# KiCad board hvd-68-vhdci-panel.kicad_pcb (continued)
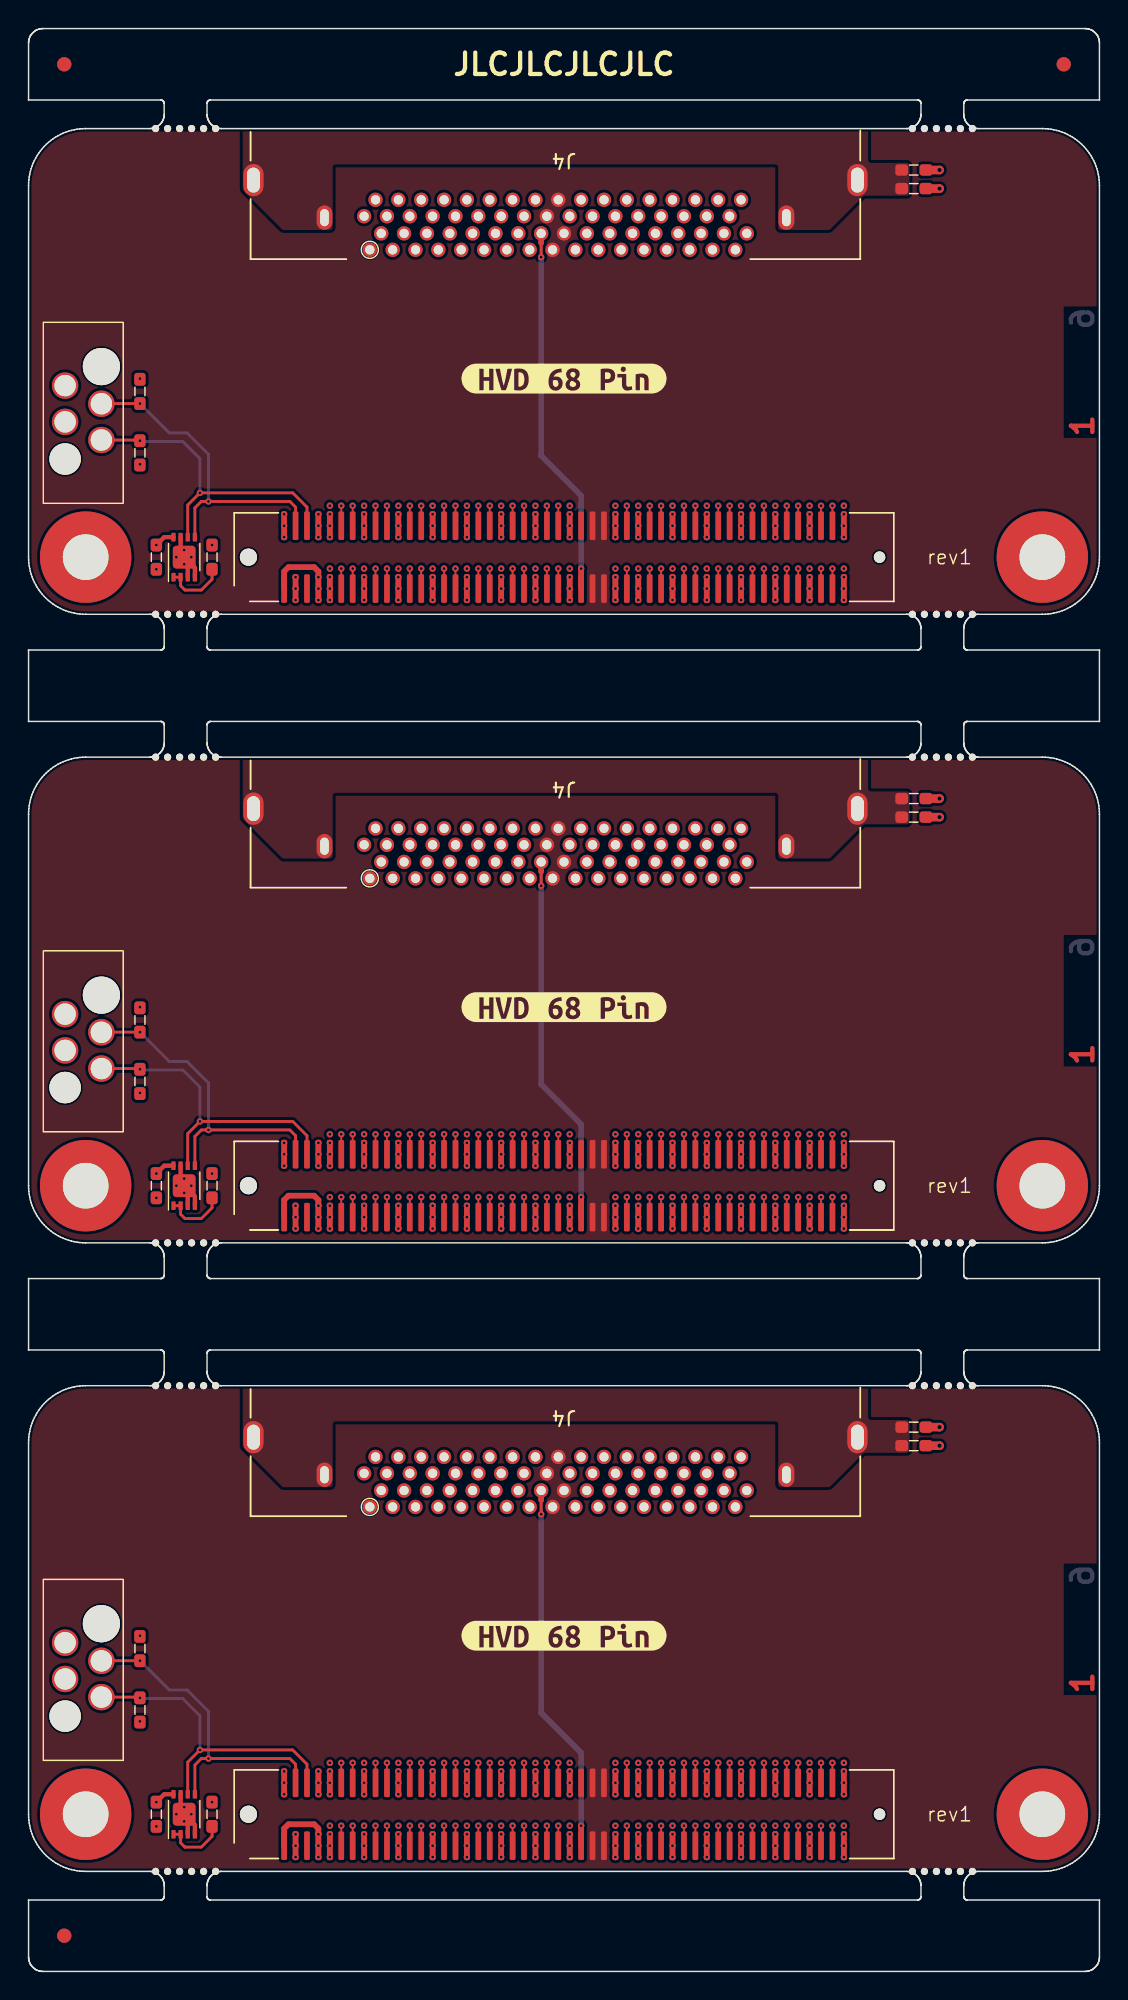
[diagram p0: board, top side]
## Routing (per net, layer and track width the routed paths; a pad name or vN(x,y) marks a point on that pad's centre or on a via; arc(x,y) is an arc through that point) (continued)
Board_1-/CON.DB1-: length 27
  Top w0.128: J1#2.30 v1(29.1,58.6)
  In2.Cu w0.128: v1(29.1,58.6) 29.3,58.8 29.3,62 arc(29.24,62.14) 29.1,62.2 arc(28.96,62.26) 28.9,62.4 28.9,62.6 arc(28.96,62.74) 29.1,62.8 arc(29.24,62.86) 29.3,63 29.3,63.2 arc(29.24,63.34) 29.1,63.4 arc(28.96,63.46) 28.9,63.6 28.9,63.8 arc(28.96,63.94) 29.1,64 arc(29.24,64.06) 29.3,64.2 29.3,64.4 arc(29.24,64.54) 29.1,64.6 arc(28.96,64.66) 28.9,64.8 28.9,65 arc(28.96,65.14) 29.1,65.2 arc(29.24,65.26) 29.3,65.4 29.3,65.6 arc(29.24,65.74) 29.1,65.8 arc(28.96,65.86) 28.9,66 28.9,66.2 arc(28.96,66.34) 29.1,66.4 arc(29.24,66.46) 29.3,66.6 29.3,66.8 arc(29.24,66.94) 29.1,67 arc(28.96,67.06) 28.9,67.2 28.9,67.4 arc(28.96,67.54) 29.1,67.6 arc(29.24,67.66) 29.3,67.8 29.3,68 arc(29.24,68.14) 29.1,68.2 arc(28.96,68.26) 28.9,68.4 28.9,68.6 arc(28.96,68.74) 29.1,68.8 arc(29.24,68.86) 29.3,69 29.3,69.2 arc(29.23,69.37) 29.07,69.44 arc(28.9,69.5) 28.83,69.67 28.83,69.8 arc(28.9,69.97) 29.07,70.04 arc(29.23,70.1) 29.3,70.27 29.3,70.4 arc(29.23,70.57) 29.07,70.64 arc(28.9,70.7) 28.83,70.87 28.83,71 arc(28.9,71.17) 29.07,71.24 arc(29.23,71.3) 29.3,71.47 29.3,76.9 28.9,77.3 28.9,78 29.1,78.2 J4#3.42
Board_1-/CON.DB2+: length 29.6
  Top w0.128: J1#2.31 v1(29.9,54.2)
  In3.Cu w0.128: J4#3.9 29.7,75.92 29.7,73.88 arc(29.77,73.71) 29.94,73.64 29.94,73.64 arc(30.11,73.57) 30.18,73.4 30.18,73.28 arc(30.11,73.11) 29.94,73.04 29.94,73.04 arc(29.77,72.97) 29.7,72.8 29.7,72.68 arc(29.77,72.51) 29.94,72.44 29.94,72.44 arc(30.11,72.37) 30.18,72.2 30.18,72.08 arc(30.11,71.91) 29.94,71.84 29.94,71.84 arc(29.77,71.77) 29.7,71.6 29.7,71.48 arc(29.77,71.31) 29.94,71.24 29.94,71.24 arc(30.11,71.17) 30.18,71 30.18,70.88 arc(30.11,70.71) 29.94,70.64 29.94,70.64 arc(29.77,70.57) 29.7,70.4 29.7,70.28 arc(29.77,70.11) 29.94,70.04 29.94,70.04 arc(30.11,69.97) 30.18,69.8 30.18,69.68 arc(30.11,69.51) 29.94,69.44 29.94,69.44 arc(29.77,69.37) 29.7,69.2 29.7,69.08 arc(29.77,68.91) 29.94,68.84 29.94,68.84 arc(30.11,68.77) 30.18,68.6 30.18,68.48 arc(30.11,68.31) 29.94,68.24 29.94,68.24 arc(29.77,68.17) 29.7,68 29.7,67.88 arc(29.77,67.71) 29.94,67.64 29.94,67.64 arc(30.11,67.57) 30.18,67.4 30.18,67.28 arc(30.11,67.11) 29.94,67.04 29.94,67.04 arc(29.77,66.97) 29.7,66.8 29.7,66.68 arc(29.77,66.51) 29.94,66.44 29.94,66.44 arc(30.11,66.37) 30.18,66.2 30.18,66.08 arc(30.11,65.91) 29.94,65.84 29.94,65.84 arc(29.77,65.77) 29.7,65.6 29.7,65.42 arc(29.76,65.27) 29.91,65.21 arc(30.06,65.15) 30.12,65 30.12,64.82 arc(30.06,64.67) 29.91,64.61 arc(29.76,64.55) 29.7,64.4 29.7,64.22 arc(29.76,64.07) 29.91,64.01 arc(30.06,63.95) 30.12,63.8 30.12,63.62 arc(30.06,63.47) 29.91,63.41 arc(29.76,63.35) 29.7,63.2 29.7,63.02 arc(29.76,62.87) 29.91,62.81 arc(30.06,62.75) 30.12,62.6 30.12,62.42 arc(30.06,62.27) 29.91,62.21 arc(29.76,62.15) 29.7,62 29.7,59.25 30.2,58.75 30.2,54.5 v1(29.9,54.2)
Board_1-/CON.DB2-: length 27
  Top w0.128: J1#2.32 v1(29.9,58.6)
  In2.Cu w0.128: v1(29.9,58.6) 29.7,58.8 29.7,62 arc(29.76,62.15) 29.91,62.21 arc(30.05,62.27) 30.12,62.42 30.12,62.6 arc(30.05,62.75) 29.91,62.81 arc(29.76,62.87) 29.7,63.02 29.7,63.2 arc(29.76,63.35) 29.91,63.41 arc(30.05,63.47) 30.12,63.62 30.12,63.8 arc(30.05,63.95) 29.91,64.01 arc(29.76,64.07) 29.7,64.22 29.7,64.4 arc(29.76,64.55) 29.91,64.61 arc(30.05,64.67) 30.12,64.82 30.12,65 arc(30.05,65.15) 29.91,65.21 arc(29.76,65.27) 29.7,65.42 29.7,65.6 arc(29.76,65.75) 29.91,65.81 arc(30.05,65.87) 30.12,66.02 30.12,66.2 arc(30.05,66.35) 29.91,66.41 arc(29.76,66.47) 29.7,66.62 29.7,66.8 arc(29.76,66.95) 29.91,67.01 arc(30.05,67.07) 30.12,67.22 30.12,67.4 arc(30.05,67.55) 29.91,67.61 arc(29.76,67.67) 29.7,67.82 29.7,68 arc(29.76,68.15) 29.91,68.21 arc(30.05,68.27) 30.12,68.42 30.12,68.6 arc(30.05,68.75) 29.91,68.81 arc(29.76,68.87) 29.7,69.02 29.7,69.2 arc(29.76,69.35) 29.91,69.41 arc(30.05,69.47) 30.12,69.62 30.12,69.8 arc(30.05,69.95) 29.91,70.01 arc(29.76,70.07) 29.7,70.22 29.7,70.4 arc(29.77,70.57) 29.94,70.64 arc(30.11,70.71) 30.18,70.88 30.18,71 arc(30.11,71.17) 29.94,71.24 arc(29.77,71.31) 29.7,71.48 29.7,71.6 arc(29.77,71.77) 29.94,71.84 arc(30.11,71.91) 30.18,72.08 30.18,72.2 arc(30.11,72.37) 29.94,72.44 arc(29.77,72.51) 29.7,72.68 29.7,72.8 arc(29.77,72.97) 29.94,73.04 arc(30.11,73.11) 30.18,73.28 30.18,73.4 arc(30.11,73.57) 29.94,73.64 arc(29.77,73.71) 29.7,73.88 29.7,76.9 30.1,77.3 30.1,78 29.9,78.2 J4#3.43
Board_1-/CON.DB3+: length 29.6
  Top w0.128: J1#2.35 v1(31.5,54.2)
  In3.Cu w0.128: J4#3.10 31.1,76.3 30.9,76.1 30.9,72.61 arc(30.84,72.46) 30.7,72.41 arc(30.55,72.35) 30.49,72.2 30.49,72.01 arc(30.55,71.86) 30.7,71.81 arc(30.84,71.75) 30.9,71.6 30.9,71.41 arc(30.84,71.26) 30.7,71.21 arc(30.55,71.15) 30.49,71 30.49,70.81 arc(30.55,70.66) 30.7,70.61 arc(30.84,70.55) 30.9,70.4 30.9,70.21 arc(30.84,70.06) 30.7,70.01 arc(30.55,69.95) 30.49,69.8 30.49,69.61 arc(30.55,69.46) 30.7,69.41 arc(30.84,69.35) 30.9,69.2 30.9,69.01 arc(30.84,68.86) 30.7,68.81 arc(30.55,68.75) 30.49,68.6 30.49,68.41 arc(30.55,68.26) 30.7,68.21 arc(30.84,68.15) 30.9,68 30.9,67.81 arc(30.84,67.66) 30.7,67.61 arc(30.55,67.55) 30.49,67.4 30.49,67.21 arc(30.55,67.06) 30.7,67.01 arc(30.84,66.95) 30.9,66.8 30.9,66.61 arc(30.84,66.46) 30.7,66.41 arc(30.55,66.35) 30.49,66.2 30.49,66.01 arc(30.55,65.86) 30.7,65.81 arc(30.84,65.75) 30.9,65.6 30.9,65.47 arc(30.83,65.31) 30.66,65.24 arc(30.5,65.17) 30.43,65 30.43,64.87 arc(30.5,64.71) 30.66,64.64 arc(30.83,64.57) 30.9,64.4 30.9,64.27 arc(30.83,64.11) 30.66,64.04 arc(30.5,63.97) 30.43,63.8 30.43,63.67 arc(30.5,63.51) 30.66,63.44 arc(30.83,63.37) 30.9,63.2 30.9,63.07 arc(30.83,62.91) 30.66,62.84 arc(30.5,62.77) 30.43,62.6 30.43,62.47 arc(30.5,62.31) 30.66,62.24 arc(30.83,62.17) 30.9,62 30.9,59.2 31.2,58.9 31.2,54.5 v1(31.5,54.2)
Board_1-/CON.DB3-: length 27
  Top w0.128: J1#2.36 v1(31.5,58.6)
  In2.Cu w0.128: J4#3.44 30.7,78.2 30.5,78 30.5,77.3 30.9,76.9 30.9,70.26 arc(30.83,70.1) 30.67,70.03 arc(30.51,69.96) 30.44,69.8 30.44,69.66 arc(30.51,69.5) 30.67,69.43 arc(30.83,69.36) 30.9,69.2 30.9,69.06 arc(30.83,68.9) 30.67,68.83 arc(30.51,68.76) 30.44,68.6 30.44,68.46 arc(30.51,68.3) 30.67,68.23 arc(30.83,68.16) 30.9,68 30.9,67.86 arc(30.83,67.7) 30.67,67.63 arc(30.51,67.56) 30.44,67.4 30.44,67.26 arc(30.51,67.1) 30.67,67.03 arc(30.83,66.96) 30.9,66.8 30.9,66.66 arc(30.83,66.5) 30.67,66.43 arc(30.51,66.36) 30.44,66.2 30.44,66.06 arc(30.51,65.9) 30.67,65.83 arc(30.83,65.76) 30.9,65.6 30.9,65.46 arc(30.83,65.3) 30.67,65.23 arc(30.51,65.16) 30.44,65 30.44,64.86 arc(30.51,64.7) 30.67,64.63 arc(30.83,64.56) 30.9,64.4 30.9,64.26 arc(30.83,64.1) 30.67,64.03 arc(30.51,63.96) 30.44,63.8 30.44,63.66 arc(30.51,63.5) 30.67,63.43 arc(30.83,63.36) 30.9,63.2 30.9,63.06 arc(30.83,62.9) 30.67,62.83 arc(30.51,62.76) 30.44,62.6 30.44,62.46 arc(30.51,62.3) 30.67,62.23 arc(30.83,62.16) 30.9,62 30.9,59.2 v1(31.5,58.6)
Board_1-/CON.DB4+: length 29.6
  Top w0.128: J1#2.37 v1(32.3,54.2)
  In3.Cu w0.128: v1(32.3,54.2) 31.9,54.6 31.9,59 31.3,59.6 31.3,62 arc(31.37,62.17) 31.54,62.24 31.56,62.24 arc(31.73,62.31) 31.8,62.48 31.8,62.6 arc(31.73,62.77) 31.56,62.84 31.54,62.84 arc(31.37,62.91) 31.3,63.08 31.3,63.2 arc(31.37,63.37) 31.54,63.44 31.56,63.44 arc(31.73,63.51) 31.8,63.68 31.8,63.8 arc(31.73,63.97) 31.56,64.04 31.54,64.04 arc(31.37,64.11) 31.3,64.28 31.3,64.4 arc(31.37,64.57) 31.54,64.64 31.56,64.64 arc(31.73,64.71) 31.8,64.88 31.8,65 arc(31.73,65.17) 31.56,65.24 31.54,65.24 arc(31.37,65.31) 31.3,65.48 31.3,65.6 arc(31.37,65.77) 31.54,65.84 31.56,65.84 arc(31.73,65.91) 31.8,66.08 31.8,66.2 arc(31.73,66.37) 31.56,66.44 31.54,66.44 arc(31.37,66.51) 31.3,66.68 31.3,66.8 arc(31.37,66.97) 31.54,67.04 31.56,67.04 arc(31.73,67.11) 31.8,67.28 31.8,67.4 arc(31.73,67.57) 31.56,67.64 31.54,67.64 arc(31.37,67.71) 31.3,67.88 31.3,68 arc(31.37,68.17) 31.54,68.24 31.56,68.24 arc(31.73,68.31) 31.8,68.48 31.8,68.6 arc(31.73,68.77) 31.56,68.84 31.54,68.84 arc(31.37,68.91) 31.3,69.08 31.3,69.2 arc(31.37,69.37) 31.54,69.44 31.56,69.44 arc(31.73,69.51) 31.8,69.68 31.8,69.8 arc(31.73,69.97) 31.56,70.04 31.54,70.04 arc(31.37,70.11) 31.3,70.28 31.3,70.4 arc(31.37,70.57) 31.54,70.64 31.56,70.64 arc(31.73,70.71) 31.8,70.88 31.8,71 arc(31.73,71.17) 31.56,71.24 31.54,71.24 arc(31.37,71.31) 31.3,71.48 31.3,71.6 arc(31.37,71.77) 31.54,71.84 31.56,71.84 arc(31.73,71.91) 31.8,72.08 31.8,72.2 arc(31.73,72.37) 31.56,72.44 31.54,72.44 arc(31.37,72.51) 31.3,72.68 31.3,75.92 J4#3.11
Board_1-/CON.DB4-: length 27
  Top w0.128: J1#2.38 v1(32.3,58.6)
  In2.Cu w0.128: v1(32.3,58.6) 31.3,59.6 31.3,62 arc(31.36,62.15) 31.51,62.21 arc(31.66,62.27) 31.72,62.42 31.72,62.6 arc(31.66,62.75) 31.51,62.81 arc(31.36,62.87) 31.3,63.02 31.3,63.2 arc(31.36,63.35) 31.51,63.41 arc(31.66,63.47) 31.72,63.62 31.72,63.8 arc(31.66,63.95) 31.51,64.01 arc(31.36,64.07) 31.3,64.22 31.3,64.4 arc(31.36,64.55) 31.51,64.61 arc(31.66,64.67) 31.72,64.82 31.72,65 arc(31.66,65.15) 31.51,65.21 arc(31.36,65.27) 31.3,65.42 31.3,65.6 arc(31.36,65.75) 31.51,65.81 arc(31.66,65.87) 31.72,66.02 31.72,66.2 arc(31.66,66.35) 31.51,66.41 arc(31.36,66.47) 31.3,66.62 31.3,66.8 arc(31.36,66.95) 31.51,67.01 arc(31.66,67.07) 31.72,67.22 31.72,67.4 arc(31.66,67.55) 31.51,67.61 arc(31.36,67.67) 31.3,67.82 31.3,68 arc(31.36,68.15) 31.51,68.21 arc(31.66,68.27) 31.72,68.42 31.72,68.6 arc(31.66,68.75) 31.51,68.81 arc(31.36,68.87) 31.3,69.02 31.3,69.2 arc(31.35,69.33) 31.48,69.39 arc(31.61,69.44) 31.67,69.57 31.67,69.8 arc(31.61,69.93) 31.48,69.99 arc(31.35,70.04) 31.3,70.17 31.3,70.4 arc(31.36,70.55) 31.51,70.61 arc(31.66,70.67) 31.72,70.82 31.72,71 arc(31.66,71.15) 31.51,71.21 arc(31.36,71.27) 31.3,71.42 31.3,71.6 arc(31.36,71.75) 31.51,71.81 arc(31.66,71.87) 31.72,72.02 31.72,72.2 arc(31.66,72.35) 31.51,72.41 arc(31.36,72.47) 31.3,72.62 31.3,72.8 arc(31.35,72.93) 31.48,72.99 arc(31.61,73.04) 31.67,73.17 31.67,73.4 arc(31.61,73.53) 31.48,73.59 arc(31.35,73.64) 31.3,73.77 31.3,76.9 31.7,77.3 31.7,78 31.5,78.2 J4#3.45
Board_1-/CON.DB5+: length 29.6
  Top w0.128: J1#2.41 v1(33.9,54.2)
  In3.Cu w0.128: v1(33.9,54.2) 33.6,54.5 33.6,58.9 32.5,60 32.5,62 arc(32.43,62.16) 32.28,62.22 arc(32.12,62.29) 32.05,62.45 32.05,62.6 arc(32.12,62.76) 32.28,62.82 arc(32.43,62.89) 32.5,63.05 32.5,63.2 arc(32.43,63.36) 32.28,63.42 arc(32.12,63.49) 32.05,63.65 32.05,63.8 arc(32.12,63.96) 32.28,64.02 arc(32.43,64.09) 32.5,64.25 32.5,64.4 arc(32.43,64.56) 32.28,64.62 arc(32.12,64.69) 32.05,64.85 32.05,65 arc(32.12,65.16) 32.28,65.22 arc(32.43,65.29) 32.5,65.45 32.5,65.6 arc(32.43,65.76) 32.28,65.82 arc(32.12,65.89) 32.05,66.05 32.05,66.2 arc(32.12,66.36) 32.28,66.42 arc(32.43,66.49) 32.5,66.65 32.5,66.8 arc(32.43,66.96) 32.28,67.02 arc(32.12,67.09) 32.05,67.25 32.05,67.4 arc(32.12,67.56) 32.28,67.62 arc(32.43,67.69) 32.5,67.85 32.5,68 arc(32.43,68.16) 32.28,68.22 arc(32.12,68.29) 32.05,68.45 32.05,68.6 arc(32.12,68.76) 32.28,68.82 arc(32.43,68.89) 32.5,69.05 32.5,69.2 arc(32.43,69.36) 32.28,69.42 arc(32.12,69.49) 32.05,69.65 32.05,69.8 arc(32.12,69.96) 32.28,70.02 arc(32.43,70.09) 32.5,70.25 32.5,70.4 arc(32.43,70.56) 32.28,70.62 arc(32.12,70.69) 32.05,70.85 32.05,71 arc(32.12,71.16) 32.28,71.22 arc(32.43,71.29) 32.5,71.45 32.5,76.1 32.7,76.3 J4#3.12
Board_1-/CON.DB5-: length 27
  Top w0.128: J1#2.42 v1(33.9,58.6)
  In2.Cu w0.128: J4#3.46 32.3,78.2 32.1,78 32.1,77.3 32.5,76.9 32.5,69.08 arc(32.43,68.91) 32.26,68.84 32.26,68.84 arc(32.09,68.77) 32.02,68.6 32.02,68.48 arc(32.09,68.31) 32.26,68.24 32.26,68.24 arc(32.43,68.17) 32.5,68 32.5,67.88 arc(32.43,67.71) 32.26,67.64 32.26,67.64 arc(32.09,67.57) 32.02,67.4 32.02,67.28 arc(32.09,67.11) 32.26,67.04 32.26,67.04 arc(32.43,66.97) 32.5,66.8 32.5,66.68 arc(32.43,66.51) 32.26,66.44 32.26,66.44 arc(32.09,66.37) 32.02,66.2 32.02,66.08 arc(32.09,65.91) 32.26,65.84 32.26,65.84 arc(32.43,65.77) 32.5,65.6 32.5,65.48 arc(32.43,65.31) 32.26,65.24 32.26,65.24 arc(32.09,65.17) 32.02,65 32.02,64.88 arc(32.09,64.71) 32.26,64.64 32.26,64.64 arc(32.43,64.57) 32.5,64.4 32.5,64.28 arc(32.43,64.11) 32.26,64.04 32.26,64.04 arc(32.09,63.97) 32.02,63.8 32.02,63.68 arc(32.09,63.51) 32.26,63.44 32.26,63.44 arc(32.43,63.37) 32.5,63.2 32.5,63.08 arc(32.43,62.91) 32.26,62.84 32.26,62.84 arc(32.09,62.77) 32.02,62.6 32.02,62.48 arc(32.09,62.31) 32.26,62.24 32.26,62.24 arc(32.43,62.17) 32.5,62 32.5,60 v1(33.9,58.6)
Board_1-/CON.DB6+: length 29.6
  Top w0.128: J1#2.43 v1(34.7,54.2)
  In3.Cu w0.128: v1(34.7,54.2) 34.3,54.6 34.3,59 32.9,60.4 32.9,62 arc(32.97,62.17) 33.14,62.24 arc(33.31,62.31) 33.38,62.48 33.38,62.6 arc(33.31,62.77) 33.14,62.84 arc(32.97,62.91) 32.9,63.08 32.9,63.2 arc(32.97,63.37) 33.14,63.44 arc(33.31,63.51) 33.38,63.68 33.38,63.8 arc(33.31,63.97) 33.14,64.04 arc(32.97,64.11) 32.9,64.28 32.9,64.4 arc(32.97,64.57) 33.14,64.64 arc(33.31,64.71) 33.38,64.88 33.38,65 arc(33.31,65.17) 33.14,65.24 arc(32.97,65.31) 32.9,65.48 32.9,65.6 arc(32.97,65.77) 33.14,65.84 arc(33.31,65.91) 33.38,66.08 33.38,66.2 arc(33.31,66.37) 33.14,66.44 arc(32.97,66.51) 32.9,66.68 32.9,66.8 arc(32.97,66.97) 33.14,67.04 arc(33.31,67.11) 33.38,67.28 33.38,67.4 arc(33.31,67.57) 33.14,67.64 arc(32.97,67.71) 32.9,67.88 32.9,68 arc(32.97,68.17) 33.14,68.24 arc(33.31,68.31) 33.38,68.48 33.38,68.6 arc(33.31,68.77) 33.14,68.84 arc(32.97,68.91) 32.9,69.08 32.9,69.2 arc(32.97,69.37) 33.14,69.44 arc(33.31,69.51) 33.38,69.68 33.38,69.8 arc(33.31,69.97) 33.14,70.04 arc(32.97,70.11) 32.9,70.28 32.9,70.4 arc(32.97,70.57) 33.14,70.64 arc(33.31,70.71) 33.38,70.88 33.38,71 arc(33.31,71.17) 33.14,71.24 arc(32.97,71.31) 32.9,71.48 32.9,71.6 arc(32.97,71.77) 33.14,71.84 arc(33.31,71.91) 33.38,72.08 33.38,72.2 arc(33.31,72.37) 33.14,72.44 arc(32.97,72.51) 32.9,72.68 32.9,75.92 J4#3.13
Board_1-/CON.DB6-: length 27
  Top w0.128: J1#2.44 v1(34.7,58.6)
  In2.Cu w0.128: J4#3.47 33.1,78.2 33.3,78 33.3,77.3 32.9,76.9 32.9,72.58 arc(32.95,72.44) 33.09,72.39 arc(33.22,72.33) 33.27,72.2 33.27,71.98 arc(33.22,71.84) 33.09,71.79 arc(32.95,71.73) 32.9,71.6 32.9,71.43 arc(32.96,71.28) 33.11,71.21 arc(33.26,71.15) 33.32,71 33.32,70.83 arc(33.26,70.68) 33.11,70.61 arc(32.96,70.55) 32.9,70.4 32.9,70.23 arc(32.96,70.08) 33.11,70.01 arc(33.26,69.95) 33.32,69.8 33.32,69.63 arc(33.26,69.48) 33.11,69.41 arc(32.96,69.35) 32.9,69.2 32.9,69.03 arc(32.96,68.88) 33.11,68.81 arc(33.26,68.75) 33.32,68.6 33.32,68.43 arc(33.26,68.28) 33.11,68.21 arc(32.96,68.15) 32.9,68 32.9,67.83 arc(32.96,67.68) 33.11,67.61 arc(33.26,67.55) 33.32,67.4 33.32,67.23 arc(33.26,67.08) 33.11,67.01 arc(32.96,66.95) 32.9,66.8 32.9,66.63 arc(32.96,66.48) 33.11,66.41 arc(33.26,66.35) 33.32,66.2 33.32,66.03 arc(33.26,65.88) 33.11,65.81 arc(32.96,65.75) 32.9,65.6 32.9,65.43 arc(32.96,65.28) 33.11,65.21 arc(33.26,65.15) 33.32,65 33.32,64.83 arc(33.26,64.68) 33.11,64.61 arc(32.96,64.55) 32.9,64.4 32.9,64.23 arc(32.96,64.08) 33.11,64.01 arc(33.26,63.95) 33.32,63.8 33.32,63.63 arc(33.26,63.48) 33.11,63.41 arc(32.96,63.35) 32.9,63.2 32.9,63.03 arc(32.96,62.88) 33.11,62.81 arc(33.26,62.75) 33.32,62.6 33.32,62.43 arc(33.26,62.28) 33.11,62.21 arc(32.96,62.15) 32.9,62 32.9,60.4 v1(34.7,58.6)
Board_1-/CON.DB7+: length 29.6
  Top w0.128: J1#2.47 v1(36.3,54.2)
  In3.Cu w0.128: v1(36.3,54.2) 36,54.5 36,58.9 34.1,60.8 34.1,62 arc(34.04,62.15) 33.9,62.21 arc(33.75,62.27) 33.69,62.41 33.69,62.6 arc(33.75,62.75) 33.9,62.81 arc(34.04,62.87) 34.1,63.01 34.1,63.2 arc(34.04,63.35) 33.9,63.41 arc(33.75,63.47) 33.69,63.61 33.69,63.8 arc(33.75,63.95) 33.9,64.01 arc(34.04,64.07) 34.1,64.21 34.1,64.4 arc(34.04,64.55) 33.9,64.61 arc(33.75,64.67) 33.69,64.81 33.69,65 arc(33.75,65.15) 33.9,65.21 arc(34.04,65.27) 34.1,65.41 34.1,65.6 arc(34.04,65.75) 33.9,65.81 arc(33.75,65.87) 33.69,66.01 33.69,66.2 arc(33.75,66.35) 33.9,66.41 arc(34.04,66.47) 34.1,66.61 34.1,66.8 arc(34.04,66.95) 33.9,67.01 arc(33.75,67.07) 33.69,67.21 33.69,67.4 arc(33.75,67.55) 33.9,67.61 arc(34.04,67.67) 34.1,67.81 34.1,68 arc(34.04,68.15) 33.9,68.21 arc(33.75,68.27) 33.69,68.41 33.69,68.6 arc(33.75,68.75) 33.9,68.81 arc(34.04,68.87) 34.1,69.01 34.1,69.2 arc(34.04,69.35) 33.9,69.41 arc(33.75,69.47) 33.69,69.61 33.69,69.8 arc(33.75,69.95) 33.9,70.01 arc(34.04,70.07) 34.1,70.21 34.1,70.4 arc(34.04,70.55) 33.9,70.61 arc(33.75,70.67) 33.69,70.81 33.69,71 arc(33.75,71.15) 33.9,71.21 arc(34.04,71.27) 34.1,71.41 34.1,76.1 34.3,76.3 J4#3.14
Board_1-/CON.DB7-: length 27
  Top w0.128: J1#2.48 v1(36.3,58.6)
  In2.Cu w0.128: v1(36.3,58.6) 34.1,60.8 34.1,62 arc(34.04,62.16) 33.88,62.22 arc(33.73,62.28) 33.66,62.44 33.66,62.6 arc(33.73,62.76) 33.88,62.82 arc(34.04,62.88) 34.1,63.04 34.1,63.2 arc(34.04,63.36) 33.88,63.42 arc(33.73,63.48) 33.66,63.64 33.66,63.8 arc(33.73,63.96) 33.88,64.02 arc(34.04,64.08) 34.1,64.24 34.1,64.4 arc(34.04,64.56) 33.88,64.62 arc(33.73,64.68) 33.66,64.84 33.66,65 arc(33.73,65.16) 33.88,65.22 arc(34.04,65.28) 34.1,65.44 34.1,65.6 arc(34.04,65.76) 33.88,65.82 arc(33.73,65.88) 33.66,66.04 33.66,66.2 arc(33.73,66.36) 33.88,66.42 arc(34.04,66.48) 34.1,66.64 34.1,66.8 arc(34.04,66.96) 33.88,67.02 arc(33.73,67.08) 33.66,67.24 33.66,67.4 arc(33.73,67.56) 33.88,67.62 arc(34.04,67.68) 34.1,67.84 34.1,68 arc(34.04,68.16) 33.88,68.22 arc(33.73,68.28) 33.66,68.44 33.66,68.6 arc(33.73,68.76) 33.88,68.82 arc(34.04,68.88) 34.1,69.04 34.1,76.9 33.7,77.3 33.7,78 33.9,78.2 J4#3.48
Board_1-/CON.DB8+: length 29.6
  Top w0.128: J1#2.89 v1(53.1,54.2)
  In3.Cu w0.128: J4#3.31 47.3,75.92 47.3,73.07 arc(47.37,72.91) 47.54,72.84 arc(47.7,72.77) 47.77,72.6 47.77,72.47 arc(47.7,72.31) 47.54,72.24 arc(47.37,72.17) 47.3,72 47.3,71.87 arc(47.37,71.71) 47.54,71.64 arc(47.7,71.57) 47.77,71.4 47.77,71.27 arc(47.7,71.11) 47.54,71.04 arc(47.37,70.97) 47.3,70.8 47.3,70.67 arc(47.37,70.51) 47.54,70.44 arc(47.7,70.37) 47.77,70.2 47.77,70.07 arc(47.7,69.91) 47.54,69.84 arc(47.37,69.77) 47.3,69.6 47.3,69.47 arc(47.37,69.31) 47.54,69.24 arc(47.7,69.17) 47.77,69 47.77,68.87 arc(47.7,68.71) 47.54,68.64 arc(47.37,68.57) 47.3,68.4 47.3,68.27 arc(47.37,68.11) 47.54,68.04 arc(47.7,67.97) 47.77,67.8 47.77,67.67 arc(47.7,67.51) 47.54,67.44 arc(47.37,67.37) 47.3,67.2 47.3,67.07 arc(47.37,66.91) 47.54,66.84 arc(47.7,66.77) 47.77,66.6 47.77,66.47 arc(47.7,66.31) 47.54,66.24 arc(47.37,66.17) 47.3,66 47.3,64.4 52.8,58.9 52.8,54.5 v1(53.1,54.2)
Board_1-/CON.DB8-: length 27
  Top w0.128: J1#2.90 v1(53.1,58.6)
  In2.Cu w0.128: v1(53.1,58.6) 47.3,64.4 47.3,66 arc(47.35,66.13) 47.49,66.19 arc(47.62,66.24) 47.67,66.37 47.67,66.6 arc(47.62,66.73) 47.49,66.79 arc(47.35,66.84) 47.3,66.97 47.3,67.2 arc(47.35,67.33) 47.49,67.39 arc(47.62,67.44) 47.67,67.57 47.67,67.8 arc(47.62,67.93) 47.49,67.99 arc(47.35,68.04) 47.3,68.17 47.3,68.4 arc(47.35,68.53) 47.49,68.59 arc(47.62,68.64) 47.67,68.77 47.67,69 arc(47.62,69.13) 47.49,69.19 arc(47.35,69.24) 47.3,69.37 47.3,69.6 arc(47.36,69.75) 47.51,69.81 arc(47.66,69.87) 47.72,70.02 47.72,70.2 arc(47.66,70.35) 47.51,70.41 arc(47.36,70.47) 47.3,70.62 47.3,70.8 arc(47.36,70.95) 47.51,71.01 arc(47.66,71.07) 47.72,71.22 47.72,71.4 arc(47.66,71.55) 47.51,71.61 arc(47.36,71.67) 47.3,71.82 47.3,72 arc(47.35,72.13) 47.49,72.19 arc(47.62,72.24) 47.67,72.37 47.67,72.6 arc(47.62,72.73) 47.49,72.79 arc(47.35,72.84) 47.3,72.97 47.3,76.9 47.7,77.3 47.7,78 47.5,78.2 J4#3.65
Board_1-/CON.DB9+: length 29.6
  Top w0.128: J1#2.91 v1(53.9,54.2)
  In3.Cu w0.128: v1(53.9,54.2) 53.5,54.6 53.5,59 48.5,64 48.5,66 arc(48.44,66.15) 48.29,66.21 arc(48.14,66.28) 48.08,66.42 48.08,66.6 arc(48.14,66.75) 48.29,66.81 arc(48.44,66.88) 48.5,67.02 48.5,67.2 arc(48.44,67.35) 48.29,67.41 arc(48.14,67.48) 48.08,67.62 48.08,67.8 arc(48.14,67.95) 48.29,68.01 arc(48.44,68.08) 48.5,68.22 48.5,68.4 arc(48.44,68.55) 48.29,68.61 arc(48.14,68.68) 48.08,68.82 48.08,69 arc(48.14,69.15) 48.29,69.21 arc(48.44,69.28) 48.5,69.42 48.5,69.6 arc(48.44,69.75) 48.29,69.81 arc(48.14,69.88) 48.08,70.02 48.08,70.2 arc(48.14,70.35) 48.29,70.41 arc(48.44,70.48) 48.5,70.62 48.5,70.8 arc(48.44,70.95) 48.29,71.01 arc(48.14,71.08) 48.08,71.22 48.08,71.4 arc(48.14,71.55) 48.29,71.61 arc(48.44,71.68) 48.5,71.82 48.5,76.1 48.7,76.3 J4#3.32
Board_1-/CON.DB9-: length 27
  Top w0.128: J1#2.92 v1(53.9,58.6)
  In2.Cu w0.128: J4#3.66 48.3,78.2 48.1,78 48.1,77.3 48.5,76.9 48.5,69.48 arc(48.43,69.31) 48.26,69.24 48.26,69.24 arc(48.09,69.17) 48.02,69 48.02,68.88 arc(48.09,68.71) 48.26,68.64 48.26,68.64 arc(48.43,68.57) 48.5,68.4 48.5,68.28 arc(48.43,68.11) 48.26,68.04 48.26,68.04 arc(48.09,67.97) 48.02,67.8 48.02,67.68 arc(48.09,67.51) 48.26,67.44 48.26,67.44 arc(48.43,67.37) 48.5,67.2 48.5,67.08 arc(48.43,66.91) 48.26,66.84 48.26,66.84 arc(48.09,66.77) 48.02,66.6 48.02,66.48 arc(48.09,66.31) 48.26,66.24 48.26,66.24 arc(48.43,66.17) 48.5,66 48.5,64 v1(53.9,58.6)
Board_1-/CON.DB10+: length 29.6
  Top w0.128: J1#2.95 v1(55.5,54.2)
  In3.Cu w0.128: v1(55.5,54.2) 55.2,54.5 55.2,58.9 48.9,65.2 48.9,66 arc(48.97,66.17) 49.14,66.24 49.16,66.24 arc(49.33,66.31) 49.4,66.48 49.4,66.6 arc(49.33,66.77) 49.16,66.84 49.14,66.84 arc(48.97,66.91) 48.9,67.08 48.9,67.2 arc(48.97,67.37) 49.14,67.44 49.16,67.44 arc(49.33,67.51) 49.4,67.68 49.4,67.8 arc(49.33,67.97) 49.16,68.04 49.14,68.04 arc(48.97,68.11) 48.9,68.28 48.9,68.4 arc(48.97,68.57) 49.14,68.64 49.16,68.64 arc(49.33,68.71) 49.4,68.88 49.4,69 arc(49.33,69.17) 49.16,69.24 49.14,69.24 arc(48.97,69.31) 48.9,69.48 48.9,69.6 arc(48.97,69.77) 49.14,69.84 49.16,69.84 arc(49.33,69.91) 49.4,70.08 49.4,70.2 arc(49.33,70.37) 49.16,70.44 49.14,70.44 arc(48.97,70.51) 48.9,70.68 48.9,70.8 arc(48.97,70.97) 49.14,71.04 49.16,71.04 arc(49.33,71.11) 49.4,71.28 49.4,71.4 arc(49.33,71.57) 49.16,71.64 49.14,71.64 arc(48.97,71.71) 48.9,71.88 48.9,75.92 J4#3.33
Board_1-/CON.DB10-: length 27
  Top w0.128: J1#2.96 v1(55.5,58.6)
  In2.Cu w0.128: v1(55.5,58.6) 48.9,65.2 48.9,66 arc(48.97,66.17) 49.14,66.24 49.16,66.24 arc(49.33,66.31) 49.4,66.48 49.4,66.6 arc(49.33,66.77) 49.16,66.84 49.14,66.84 arc(48.97,66.91) 48.9,67.08 48.9,67.2 arc(48.97,67.37) 49.14,67.44 49.16,67.44 arc(49.33,67.51) 49.4,67.68 49.4,67.8 arc(49.33,67.97) 49.16,68.04 49.14,68.04 arc(48.97,68.11) 48.9,68.28 48.9,68.4 arc(48.97,68.57) 49.14,68.64 49.16,68.64 arc(49.33,68.71) 49.4,68.88 49.4,69 arc(49.33,69.17) 49.16,69.24 49.14,69.24 arc(48.97,69.31) 48.9,69.48 48.9,69.6 arc(48.97,69.77) 49.14,69.84 49.16,69.84 arc(49.33,69.91) 49.4,70.08 49.4,70.2 arc(49.33,70.37) 49.16,70.44 49.14,70.44 arc(48.97,70.51) 48.9,70.68 48.9,76.9 49.3,77.3 49.3,78 49.1,78.2 J4#3.67
Board_1-/CON.DB11+: length 29.6
  Top w0.128: J1#2.97 v1(56.3,54.2)
  In3.Cu w0.128: J4#3.34 50.3,76.3 50.1,76.1 50.1,70.66 arc(50.17,70.5) 50.33,70.43 arc(50.49,70.36) 50.56,70.2 50.56,70.06 arc(50.49,69.9) 50.33,69.83 arc(50.17,69.76) 50.1,69.6 50.1,69.46 arc(50.17,69.3) 50.33,69.23 arc(50.49,69.16) 50.56,69 50.56,68.86 arc(50.49,68.7) 50.33,68.63 arc(50.17,68.56) 50.1,68.4 50.1,68.26 arc(50.17,68.1) 50.33,68.03 arc(50.49,67.96) 50.56,67.8 50.56,67.66 arc(50.49,67.5) 50.33,67.43 arc(50.17,67.36) 50.1,67.2 50.1,67.06 arc(50.17,66.9) 50.33,66.83 arc(50.49,66.76) 50.56,66.6 50.56,66.46 arc(50.49,66.3) 50.33,66.23 arc(50.17,66.16) 50.1,66 50.1,64.8 55.9,59 55.9,54.6 v1(56.3,54.2)
Board_1-/CON.DB11-: length 27
  Top w0.128: J1#2.98 v1(56.3,58.6)
  In2.Cu w0.128: v1(56.3,58.6) 50.1,64.8 50.1,66 arc(50.16,66.14) 50.29,66.2 arc(50.43,66.25) 50.49,66.39 50.49,66.6 arc(50.43,66.74) 50.29,66.8 arc(50.16,66.85) 50.1,66.99 50.1,67.2 arc(50.16,67.34) 50.29,67.4 arc(50.43,67.45) 50.49,67.59 50.49,67.8 arc(50.43,67.94) 50.29,68 arc(50.16,68.05) 50.1,68.19 50.1,68.4 arc(50.16,68.54) 50.29,68.6 arc(50.43,68.65) 50.49,68.79 50.49,69 arc(50.43,69.14) 50.29,69.2 arc(50.16,69.25) 50.1,69.39 50.1,76.9 49.7,77.3 49.7,78 49.9,78.2 J4#3.68
Board_1-/CON.DB12+: length 29.6
  Top w0.128: J1#2.11 v1(21.9,54.2)
  In3.Cu w0.128: J4#3.1 24.5,75.92 24.5,71.48 arc(24.43,71.31) 24.26,71.24 24.25,71.24 arc(24.08,71.17) 24.01,71 24.01,70.88 arc(24.08,70.71) 24.25,70.64 24.26,70.64 arc(24.43,70.57) 24.5,70.4 24.5,70.28 arc(24.43,70.11) 24.26,70.04 24.25,70.04 arc(24.08,69.97) 24.01,69.8 24.01,69.68 arc(24.08,69.51) 24.25,69.44 24.26,69.44 arc(24.43,69.37) 24.5,69.2 24.5,69.08 arc(24.43,68.91) 24.26,68.84 24.25,68.84 arc(24.08,68.77) 24.01,68.6 24.01,68.48 arc(24.08,68.31) 24.25,68.24 24.26,68.24 arc(24.43,68.17) 24.5,68 24.5,67.88 arc(24.43,67.71) 24.26,67.64 24.25,67.64 arc(24.08,67.57) 24.01,67.4 24.01,67.28 arc(24.08,67.11) 24.25,67.04 24.26,67.04 arc(24.43,66.97) 24.5,66.8 24.5,66.68 arc(24.43,66.51) 24.26,66.44 24.25,66.44 arc(24.08,66.37) 24.01,66.2 24.01,66.08 arc(24.08,65.91) 24.25,65.84 24.26,65.84 arc(24.43,65.77) 24.5,65.6 24.5,65.48 arc(24.43,65.31) 24.26,65.24 24.25,65.24 arc(24.08,65.17) 24.01,65 24.01,64.88 arc(24.08,64.71) 24.25,64.64 24.26,64.64 arc(24.43,64.57) 24.5,64.4 24.5,64.28 arc(24.43,64.11) 24.26,64.04 24.25,64.04 arc(24.08,63.97) 24.01,63.8 24.01,63.68 arc(24.08,63.51) 24.25,63.44 24.26,63.44 arc(24.43,63.37) 24.5,63.2 24.5,63.08 arc(24.43,62.91) 24.26,62.84 24.25,62.84 arc(24.08,62.77) 24.01,62.6 24.01,62.48 arc(24.08,62.31) 24.25,62.24 24.26,62.24 arc(24.43,62.17) 24.5,62 24.5,61.2 22.3,59 22.3,54.6 v1(21.9,54.2)
Board_1-/CON.DB12-: length 27
  Top w0.128: J1#2.12 v1(21.9,58.6)
  In2.Cu w0.128: v1(21.9,58.6) 24.5,61.2 24.5,62 arc(24.43,62.17) 24.26,62.24 arc(24.09,62.31) 24.02,62.48 24.02,62.6 arc(24.09,62.77) 24.26,62.84 arc(24.43,62.91) 24.5,63.08 24.5,63.2 arc(24.43,63.37) 24.26,63.44 arc(24.09,63.51) 24.02,63.68 24.02,63.8 arc(24.09,63.97) 24.26,64.04 arc(24.43,64.11) 24.5,64.28 24.5,64.4 arc(24.43,64.57) 24.26,64.64 arc(24.09,64.71) 24.02,64.88 24.02,65 arc(24.09,65.17) 24.26,65.24 arc(24.43,65.31) 24.5,65.48 24.5,65.6 arc(24.43,65.77) 24.26,65.84 arc(24.09,65.91) 24.02,66.08 24.02,66.2 arc(24.09,66.37) 24.26,66.44 arc(24.43,66.51) 24.5,66.68 24.5,66.8 arc(24.43,66.97) 24.26,67.04 arc(24.09,67.11) 24.02,67.28 24.02,67.4 arc(24.09,67.57) 24.26,67.64 arc(24.43,67.71) 24.5,67.88 24.5,68 arc(24.43,68.17) 24.26,68.24 arc(24.09,68.31) 24.02,68.48 24.02,68.6 arc(24.09,68.77) 24.26,68.84 arc(24.43,68.91) 24.5,69.08 24.5,69.2 arc(24.43,69.37) 24.26,69.44 arc(24.09,69.51) 24.02,69.68 24.02,69.8 arc(24.09,69.97) 24.26,70.04 arc(24.43,70.11) 24.5,70.28 24.5,76.7 23.7,77.5 23.7,78 23.5,78.2 J4#3.35